# Altium PCB PCB_HFAmp.PcbDoc (part 2 of 2)
Units mm, origin at the board's own origin, x right, y up, seen from the top; angles counter-clockwise.
Board outline 150 x 140 mm, 2 copper layers (Top Layer, Bottom Layer); 274 components, 126 nets, 774 pads, 823 vias.
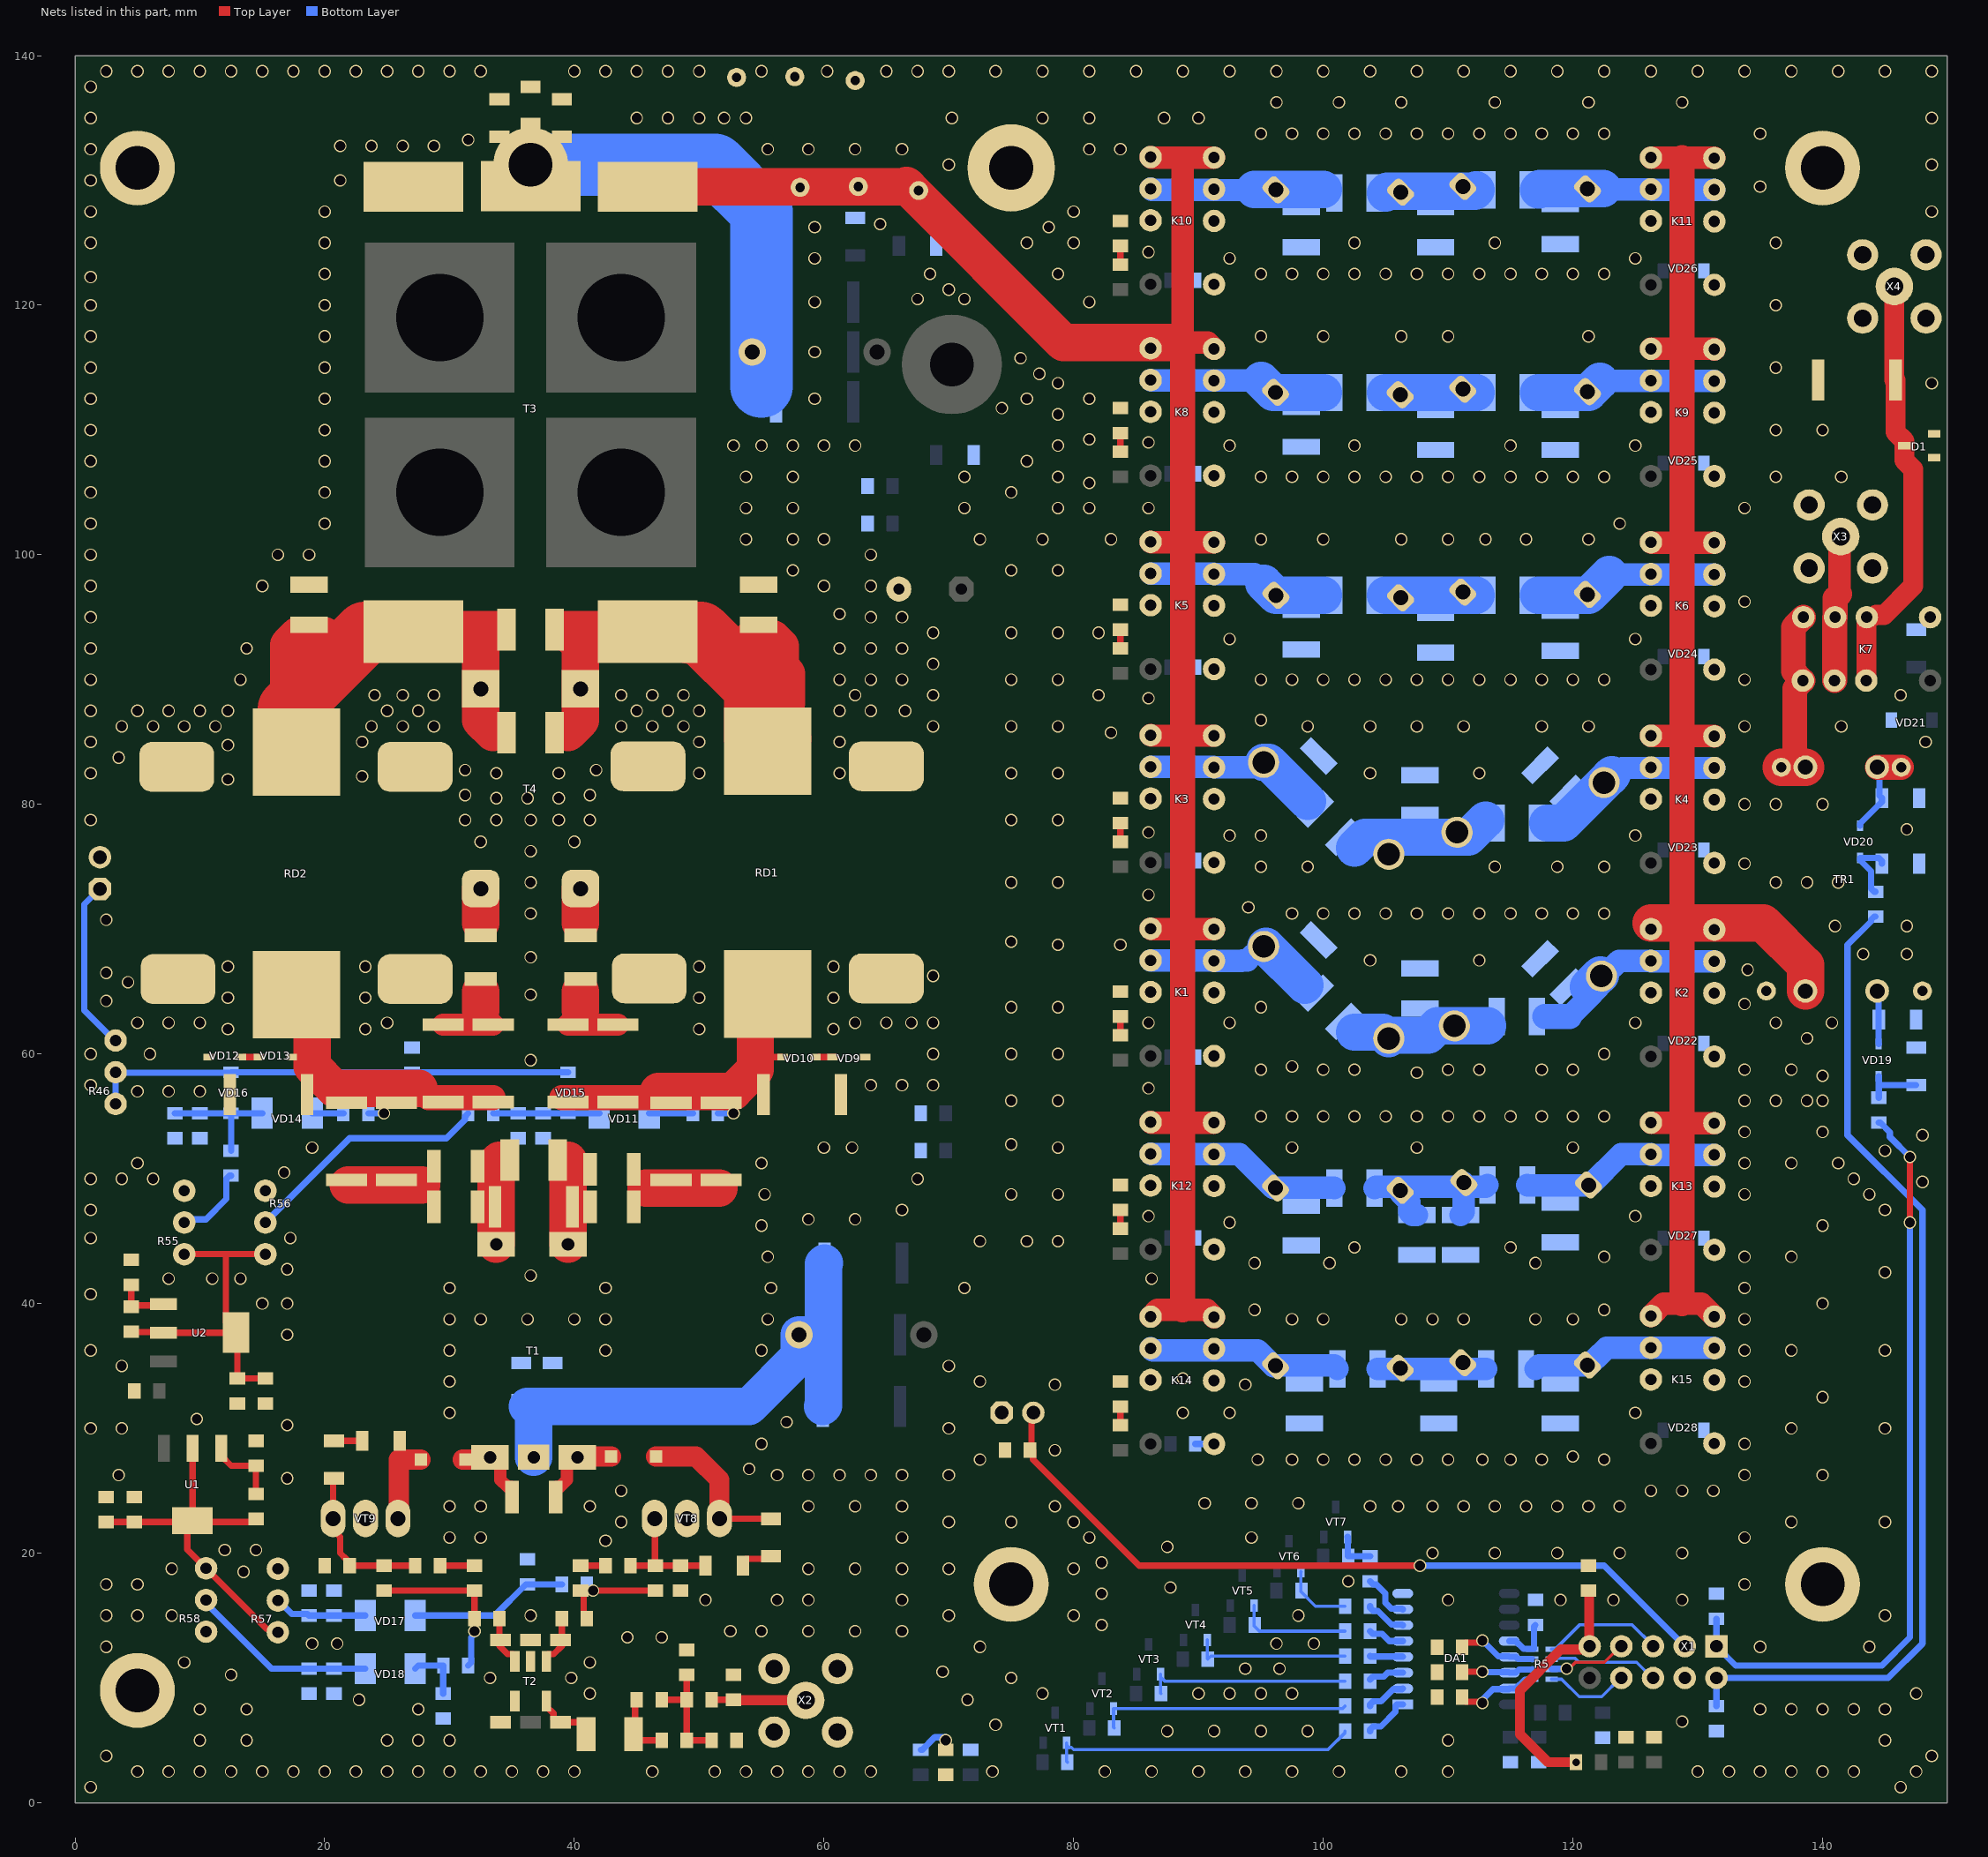
[diagram p2: the nets of this part, all layers, seen from the top]

## Via types
v1: diameter 1, hole 0.8, Top Layer to Bottom Layer, tented both sides, 819 vias
v2: diameter 0.8, hole 0.6, Top Layer to Bottom Layer, tented both sides, 4 vias

## Nets (pads, with @x,y where several pads share a name; then routed paths per layer and width w, separated by ;. In a path a pad name is that pad's centre, name@x,y a point inside that pad or via, vN(x,y) a via of type N, cw(c..) or ccw(c..) an arc to the next point about the centre after c; other vN are vias at no path point) (continued)
GND: C1.2 C2.2 C3.2 C4.1 C5.1 C6.1 C7.2 C8.2 C9.2 C10.2 C11.2 C12.2 C13.2 C14.2 C26.1 C27.2 C30.2 C31.2 C32.1 C33.2 C34.2 C35.1 C36.2 C37.2 C38.1 C39.2 C40.1 C41.2 C42.1 C43.2 C44.2 C45.2 C46.2 C47.2 C48.2 C49.2 C50.1 C54.2 C55.2 C56.2 C57.2 C59.1 C60.1 C61.1 C64.1 C65.1 C66.1 C67.2 C70.1 C71.1 C72.1 C73.2 C74.1 C75.2 C78.1 C79.1 C80.1 C81.2 C82.2 C85.1 C86.1 C87.1 C88.2 C91.1 C92.1 C93.1 C94.2 C97.1 C98.1 C99.1 C100.1 C101.2 C104.1 C105.1 C106.1 C107.1 D1.1 D1.2 DA1.8@106.37,16.77 K1.3 K1.10 K1.12 K2.3 K2.10 K2.12 K3.3 K3.10 K3.12 K4.3 K4.10 K4.12 K5.3 K5.10 K5.12 K6.3 K6.10 K6.12 K7.12 K8.3 K8.10 K8.12 K9.3 K9.10 K9.12 K10.3 K10.10 K10.12 K11.3 K11.10 K11.12 K12.3 K12.10 K12.12 K13.3 K13.10 K13.12 K14.3 K14.10 K14.12 K15.3 K15.10 K15.12 pad.9 pad.10 pad.11 pad.12 pad.14 R8.1 R25.1 R34.2 R36.2 R38.2 R39.2 R40.2 R47.2 R55.3 R56.1 R57.3 R58.1 R60.2 R62.1 R64.1 R65.1 R66.1 R73.1 R74.2 R77.2 R78.1 R79.2 RD1.2 RD2.2 T2.2 T2.4 T2.8 T2.11 T3.4 TR1.5 TR1.7 VD1.2 VD2.2 VD3.2 VD4.2 VD5.2 VD6.2 VD7.2 VD8.2 VD9.1 VD12.1 VD21.1 VD22.1 VD23.1 VD24.1 VD25.1 VD26.1 VD27.1 VD28.1 VT8.2 VT9.2 X1.4 X2.2 X3.2 X4.2 | length 1.5
  Bottom Layer w0.508: C107.1@89.75,28.75 K14.12@91.25,28.75
  other v1: 1.25,1.25 146.25,1.25 5,2.5 7.5,2.5 10,2.5 12.5,2.5 15,2.5 17.5,2.5 20,2.5 22.5,2.5 25,2.5 27.5,2.5 30,2.5 32.5,2.5 35,2.5 37.5,2.5 40,2.5 46.25,2.5 51.25,2.5 53.75,2.5 56.25,2.5 58.75,2.5 61.25,2.5 63.75,2.5 73.5,2.5 82.5,2.5 86.25,2.5 90,2.5 93.75,2.5 97.5,2.5 101.25,2.5 106.25,2.5 110,2.5 130,2.5 132.5,2.5 135,2.5 137.5,2.5 140,2.5 142.5,2.5 147.5,2.5 2.5,3.75 148.75,3.75 10,5 13.75,5 25,5 27.5,5 30,5 110,5 145,5 87.5,5.75 91.25,5.75 95,5.75 98.75,5.75 73.75,6.25 128.75,6.5 10,7.5 13.75,7.5 27.5,7.5 135,7.5 137.5,7.5 140,7.5 142.5,7.5 145,7.5 22.75,8.25 71.5,8.25 41.25,8.75 77.5,8.75 90,8.75 92.5,8.75 95,8.75 97.5,8.75 147.5,8.75 33.25,10 39.75,10 75,10 12.5,10.25 69.5,10.5 93.75,10.75 96.5,10.75 8.75,11.25 41.25,11.25 2.5,12.5 72.5,12.5 135,12.5 143.75,12.5 19,12.75 21,12.75 96.25,12.75 99.25,12.75 44.25,13.25 47,13.25 52.5,13.75 55,13.75 58.75,13.75 62.5,13.75 66.25,13.75 82.25,14.25 2.5,15 5,15 7.75,15 36.5,15 70,15 80,15 98,15 145,15 50.5,16.25 56.25,16.25 58.75,16.25 66.25,16.25 110,16.25 119,16.25 123.25,16.25 128.75,16.25 82.25,16.75 87.75,17.25 2.5,17.5 5,17.5 133.75,17.5 102,17.75 13.5,18.5 7.75,18.75 58.75,18.75 62.5,18.75 66.25,18.75 70,18.75 80,18.75 82.25,19.25 108.75,20 113.75,20 118.75,20 123.75,20 128.75,20 12,20.25 14.5,20.25 87.5,20.5 42.5,21 30,21.25 32.5,21.25 66.25,21.25 81.25,21.25 94.25,21.25 133.75,21.25 43.75,22.5 70,22.5 75,22.5 80,22.5 137.5,22.5 145,22.5 30,23.75 32.5,23.75 41.25,23.75 58.75,23.75 62.5,23.75 66.25,23.75 78.5,23.75 103.75,23.75 106,23.75 108.75,23.75 111.25,23.75 113.75,23.75 116.25,23.75 118.75,23.75 121.25,23.75 123.75,23.75 90.5,24 94.25,24 98,24 43.75,25 126.25,25 128.75,25 131.25,25 17,26 3.5,26.25 56.25,26.25 58.75,26.25 61.25,26.25 63.75,26.25 66.25,26.25 70,26.25 133.75,26.25 140,26.25 54,26.75 72.5,27.5 94.75,27.5 97.5,27.5 100,27.5 102.5,27.5 105,27.5 107.5,27.5 110,27.5 112.75,27.5 115,27.5 117.5,27.5 122.5,27.5 120,27.75 78.5,28.25 55,28.75 133.75,28.75 1.25,30 3.75,30 70,30 137.5,30 145,30 17,30.25 57,30.5 9.75,30.75 30,31.25 88.75,31.25 92.5,31.25 125,31.25 140,32.5 78.5,33.5 93.75,33.5 30,33.75 72.5,33.75 133.75,33.75 88.75,34 3.75,35 70,35 1.25,36.25 30,36.25 42.5,36.25 55,36.25 133.75,36.25 137.5,36.25 145,36.25 17,37.5 30,38.75 32.5,38.75 36.25,38.75 40,38.75 42.5,38.75 55.5,38.75 97.5,38.75 100,38.75 106.25,38.75 108.75,38.75 111.25,38.75 117,38.75 120,38.75 133.75,38.75 94.5,39.5 122.5,39.5 15,40 17,40 140,40 1.25,40.75 30,41.25 42.5,41.25 55.75,41.25 71.25,41.25 133.75,41.25 7.5,42 11,42 13.25,42 86.25,42 36.5,42.25 145,42.5 17,42.75 94.5,43.25 100.5,43.25 117,43.25 55.5,43.75 122.5,43.75 133.75,43.75 137.5,43.75 102.5,44.5 115,44.5 72.5,45 76.25,45 78.75,45 1.25,45.25 17.25,45.25 55,46.25 140,46.25 92.5,46.5 58.75,46.75 62.5,46.75 86,47 125,47 1.25,47.5 66.25,47.5 145,47.5 55.25,48.75 75,48.75 78.75,48.75 133.75,48.75 143.75,48.75 148,49.75 1.25,50 3.75,50 6.25,50 67.5,50 142.5,50 16.75,50.5 5,51.25 55,51.25 133.75,51.25 137.5,51.25 141.25,51.25 145,52.25 19,52.5 60,52.5 62.25,52.5 62.25,52.5 78.75,52.5 97.5,52.5 107.5,52.5 120,52.5 75,52.75 148,53.5 133.75,53.75 140,53.75 95,55 97.5,55 100,55 102.5,55 105,55 107.5,55 110,55 112.5,55 115,55 117.5,55 120,55 122.5,55 75,56.25 78.75,56.25 133.75,56.25 136.25,56.25 138.75,56.25 140,56.25 5,57 7.5,57 10,57 86,57.25 1.25,57.5 63.75,57.5 66.25,57.5 68.75,57.5 140,58.25 107.5,58.5 95,58.75 100,58.75 102.5,58.75 110,58.75 112.5,58.75 117.5,58.75 120,58.75 133.75,58.75 137.5,58.75 97.5,59 36.5,59.5 1.25,60 6,60 68.75,60 75,60 78.75,60 122.5,60 138.75,61.25 12.25,62 23.25,62 50,62 60.75,62 5,62.5 7.5,62.5 10,62.5 25,62.5 62.5,62.5 65,62.5 67,62.5 68.75,62.5 86,62.5 92.5,62.5 125,62.5 136.25,62.5 140.75,62.5 75,63.75 78.75,63.75 95,63.75 133.75,64 2.5,64.25 12.25,64.5 23.25,64.5 50,64.5 60.75,64.5 36.5,64.75 4.25,65.75 68.75,66.25 2.5,66.5 134,66.75 12.25,67 23.25,67 50,67 60.75,67 103.75,67.5 112.5,67.5 36.5,67.75 143.25,68 146.75,68 78.75,68.75 83.75,68.75 75,69 141,70.25 146.75,70.25 2.5,70.75 36.5,71.25 97.5,71.25 100,71.25 102.5,71.25 105,71.25 107.5,71.25 110,71.25 112.5,71.25 115,71.25 117.5,71.25 120,71.25 122.5,71.25 94,71.75 86,72.75 36.5,73.75 75,73.75 78.75,73.75 136.25,73.75 138.75,73.75 141.25,73.75 95,75 98.75,75 113.75,75 118.75,75 122.5,75 133.75,75.25 36.5,76.25 32.5,77 40,77 92.5,77.5 95,77.5 125,77.5 86,77.75 146.75,78 1.25,78.75 31.25,78.75 33.75,78.75 36.5,78.75 38.75,78.75 41.25,78.75 75,78.75 78.75,78.75 133.75,80 136.25,80 140,80 33.75,80.5 36.25,80.5 38.75,80.5 31.25,80.75 41.25,80.75 12.25,82 23,82.25 1.25,82.5 33.75,82.5 38.75,82.5 50,82.5 61.25,82.5 75,82.5 78.75,82.5 103.75,82.5 112.5,82.5 31.25,82.75 41.75,82.75 3.5,83.75 12.25,84.75 1.25,85 23,85 50,85 61.25,85 148.25,85 83,85.75 3.75,86.25 6.25,86.25 8.75,86.25 11.25,86.25 23.75,86.25 26.25,86.25 28.75,86.25 43.75,86.25 46.25,86.25 48.75,86.25 68.75,86.25 75,86.25 78.75,86.25 98.75,86.25 103.75,86.25 107.5,86.25 111.25,86.25 117.5,86.25 121.25,86.25 133.75,86.25 141.5,86.25 95,86.75 1.25,87.5 5,87.5 7.5,87.5 10,87.5 12.25,87.5 25,87.5 27.5,87.5 45,87.5 47.5,87.5 50,87.5 61.25,87.5 63.75,87.5 66.5,87.5 86,88.5 24,88.75 26.25,88.75 28.75,88.75 43.75,88.75 46.25,88.75 48.75,88.75 62.5,88.75 68.75,88.75 82,88.75 146.25,88.75 1.25,90 13.25,90 61.25,90 63.75,90 66.25,90 75,90 78.75,90 95,90 97.5,90 100,90 102.5,90 105,90 107.5,90 110,90 112.5,90 115,90 117.5,90 120,90 122.5,90 133.75,90 68.75,91.25 1.25,92.5 13.75,92.5 61.25,92.5 63.75,92.5 66.25,92.5 92.5,93.25 125,93.25 68.75,93.75 75,93.75 78.75,93.75 82,93.75 1.25,95 63.75,95 66.25,95 61.25,95.25 133.75,96.25 1.25,97.5 15,97.5 60,97.5 63.75,97.5 57.5,98.75 75,98.75 78.75,98.75 1.25,100 16.25,100 18.75,100 63.75,100 53.75,101.25 57.5,101.25 60,101.25 72.5,101.25 77.5,101.25 83,101.25 95,101.25 100,101.25 106.25,101.25 110,101.25 113,101.25 116.25,101.25 121.25,101.25 1.25,102.5 20,102.5 123.75,102.5 53.75,103.75 57.5,103.75 71.25,103.75 78.75,103.75 81.25,103.75 86,103.75 133.75,103.75 1.25,105 20,105 75,105 81.25,105.75 53.75,106.25 57.5,106.25 71.25,106.25 78.75,106.25 95,106.25 97.5,106.25 100,106.25 102.5,106.25 105,106.25 107.5,106.25 110,106.25 112.5,106.25 115,106.25 117.5,106.25 120,106.25 122.5,106.25 136.25,106.25 141.5,106.25 1.25,107.5 20,107.5 76.25,107.5 52.75,108.75 55,108.75 57.5,108.75 60,108.75 62.5,108.75 78.75,108.75 92.5,108.75 102.5,108.75 115,108.75 125,108.75 86,109 81.25,109.25 1.25,110 20,110 136.25,110 140,110 78.75,111.25 74.25,111.75 1.25,112.5 20,112.5 59.25,112.5 76.25,112.5 81.25,112.5 78.75,113.75 148.75,113.75 77.25,114.5 1.25,115 20,115 136.25,115 75.75,115.75 59.25,116.25 1.25,117.5 20,117.5 95,117.5 100,117.5 106.25,117.5 110,117.5 121.25,117.5 1.25,120 20,120 136.25,120 59.25,120.25 81.25,120.25 67.5,120.5 71.25,120.5 70,121.25 1.25,122.25 20,122.5 68.5,122.5 78.75,122.5 95,122.5 97.5,122.5 100,122.5 102.5,122.5 105,122.5 107.5,122.5 110,122.5 112.5,122.5 115,122.5 117.5,122.5 120,122.5 122.5,122.5 59.25,123.75 92.5,123.75 125,123.75 86,124.25 1.25,125 20,125 76.25,125 80,125 102.5,125 113.75,125 136.25,125 59.25,126.25 78,126.25 64.5,126.5 1.25,127.5 20,127.5 80,127.5 148.75,127.5 135,129.5 1.25,130 21.25,130 70,131.25 148.75,131.25 1.25,132.5 55.5,132.5 58.75,132.5 62.5,132.5 66.25,132.5 81.25,132.5 83.75,132.5 21.25,132.75 23.75,132.75 26.25,132.75 28.75,132.75 31.5,133.25 95,133.75 97.5,133.75 100,133.75 102.5,133.75 105,133.75 107.5,133.75 110,133.75 112.5,133.75 115,133.75 117.5,133.75 120,133.75 122.5,133.75 135,133.75 1.25,135 45,135 47.5,135 50,135 52,135 53.75,135 70.25,135 77.5,135 81.25,135 87.25,135 90,135 148.75,135 96.25,136.25 101.25,136.25 106.25,136.25 113.75,136.25 121.25,136.25 128.75,136.25 1.25,137.5 2.5,138.75 5,138.75 7.5,138.75 10,138.75 12.5,138.75 15,138.75 17.5,138.75 20,138.75 22.5,138.75 25,138.75 27.5,138.75 30,138.75 32.5,138.75 40,138.75 42.5,138.75 45,138.75 47.5,138.75 50,138.75 55,138.75 60.25,138.75 65,138.75 67.5,138.75 70,138.75 73.75,138.75 77.5,138.75 81.25,138.75 85,138.75 88.75,138.75 92.5,138.75 96.25,138.75 100,138.75 103.75,138.75 107.5,138.75 111.25,138.75 115,138.75 118.75,138.75 122.5,138.75 126.25,138.75 130,138.75 133.75,138.75 137.5,138.75 141.25,138.75 145,138.75 148.75,138.75
HFAMP_B0: R5.1 X1.8 | length 6.8
  Bottom Layer w0.254: R5.1@118.3,9.9 119.1,9.9 120.5,8.5 122.309,8.5 123.809,10 X1.8@123.88,10
HFAMP_B1: R5.2 X1.7 | length 6.3
  Top Layer w0.254: v1(119.5,10.75) 119.702,10.75 120.202,11.25 122.519,11.25 123.809,12.54 X1.7@123.88,12.54
  Bottom Layer w0.508: R5.2@118.3,10.7 118.329,10.729 119.479,10.729 v1(119.5,10.75)
HFAMP_B2: R5.3 X1.6 | length 8.8
  Bottom Layer w0.254: R5.3@118.3,11.5 118.377,11.577 120.173,11.577 120.5,11.25 125.099,11.25 126.349,10 X1.6@126.42,10
HFAMP_B3: R5.4 X1.5 | length 9.7
  Bottom Layer w0.254: R5.4@118.3,12.3 118.575,12.3 120.525,14.25 124.75,14.25 126.42,12.58 X1.5@126.42,12.54
HFAMP_TX: C12.1 FB2.2 X1.9 | length 20.5
  Top Layer w0.8: v2(120.25,3.25) 118,3.25 115.75,5.5 115.75,9 119.043,12.293 121.093,12.293 X1.9@121.34,12.54 121.295,12.585 121.295,16.955 C12.1@121.25,17
K_6m: DA1.5 R16.2 | length 2.9
  Bottom Layer w0.508: R16.2@103.75,13.75 103.964,13.536 104.714,13.536 105.29,12.96 DA1.5@106.37,12.96
K_10m: DA1.4 R13.2 | length 2.6
  Bottom Layer w0.508: R13.2@103.75,11.75 103.78,11.72 106.34,11.72 DA1.4@106.37,11.69
K_15m: DA1.3 R10.2 | length 2.8
  Bottom Layer w0.508: R10.2@103.75,9.875 103.996,10.121 104.871,10.121 105.17,10.42 DA1.3@106.37,10.42
K_20m: DA1.2 R6.2 | length 3.3
  Bottom Layer w0.508: R6.2@103.75,7.75 103.75,7.875 103.996,8.121 104.621,8.121 105.602,9.102 106.322,9.102 DA1.2@106.37,9.15
K_40m: DA1.1 R2.2 | length 3.8
  Bottom Layer w0.508: R2.2@103.75,5.75 103.75,5.875 103.996,6.121 104.611,6.121 105.789,7.299 105.789,7.754 105.915,7.88 DA1.1@106.37,7.88
K_80m: DA1.6 R19.2 | length 3.3
  Bottom Layer w0.508: R19.2@103.75,15.75 103.75,15.625 103.996,15.379 104.371,15.379 105.472,14.278 106.322,14.278 DA1.6@106.37,14.23
K_160m: DA1.7 R22.2 | length 4
  Bottom Layer w0.508: R22.2@103.75,17.75 103.996,17.504 104.246,17.504 104.971,16.779 104.971,16.029 105.452,15.548 106.322,15.548 DA1.7@106.37,15.5
LPF_OUT: K2.5 K2.8 K4.5 K4.8 K6.5 K6.8 K9.5 K9.8 K11.5 K11.8 K13.5 K13.8 K15.5 K15.8 TR1.4 | length 139.1
  Top Layer w1.8: K15.5@126.25,39 127.25,40 128.75,40 130.289,40 K15.8@131.33,38.959 ; K13.5@126.25,54.5 126.271,54.479 128.75,54.479 128.771,54.459 K13.8@131.33,54.459 ; K2.5@126.25,70 K2.5@126.75,70.5 ; K4.5@126.25,85.5 126.271,85.479 128.75,85.479 131.31,85.479 K4.8@131.33,85.459 ; K6.5@126.25,101 126.291,100.959 128.75,100.959 K6.8@131.33,100.959 ; K9.5@126.25,116.5 128.75,116.5 131.289,116.5 K9.8@131.33,116.459 ; K11.5@126.25,131.83 126.271,131.809 128.75,131.809 131.31,131.809 K11.8@131.33,131.789
  Top Layer w2: 128.75,40 128.75,54.479 128.75,70.5 128.75,85.479 128.75,100.959 128.75,116.5 128.75,131.809
  Top Layer w3: K2.5@126.25,70.5 126.75,70.5 128.053,70.5 ; 128.75,70.5 135.25,70.5 138.625,67.125 TR1.4@138.625,65.05
MB_THERM: C6.2 R8.2 X1.3 | length 62.3
  Top Layer w0.508: C6.2@76.5,28.25 76.635,28.385 76.635,31.115 R8.2@76.77,31.25 ; C6.2@76.746,28.25 76.746,27.585 76.75,27.581 76.75,27.5 85.25,19 v1(107.75,19)
  Bottom Layer w0.508: v1(107.75,19) 122.5,19 X1.3@128.96,12.54
NetC4_2: C4.2 DA1.15 R5.5 | length 6.8
  Top Layer w0.508: C4.2@111.12,8.46 111.12,8.335 111.366,8.089 112.661,8.089 v1(112.75,8)
  Bottom Layer w0.508: v1(112.75,8) 112.844,8.094 112.844,8.344 113.602,9.102 114.852,9.102 DA1.15@114.9,9.15 115.423,9.15 116.144,9.871 116.721,9.871 R5.5@116.75,9.9
NetC5_2: C5.2 DA1.14 R5.6 | length 5.8
  Top Layer w0.508: C5.2@111.12,10.46 111.16,10.5 v1(112.75,10.5)
  Bottom Layer w0.508: v1(112.75,10.5) 112.79,10.46 114.86,10.46 DA1.14@114.9,10.42 115.423,10.42 115.674,10.671 116.721,10.671 R5.6@116.75,10.7
NetC10_1: C10.1 DA1.12 R5.8 | length 4.2
  Bottom Layer w0.508: DA1.12@114.9,12.96 115.423,12.96 116.054,12.329 116.875,12.329 116.875,14.125 C10.1@117,14.25
NetC11_1: C11.1 DA1.13 R5.7 | length 6.5
  Top Layer w0.508: C11.1@111.12,12.46 111.12,12.585 111.366,12.831 112.581,12.831 v1(112.75,13)
  Bottom Layer w0.508: v1(112.75,13) 114.012,11.738 114.852,11.738 DA1.13@114.9,11.69 115.423,11.69 115.584,11.529 116.721,11.529 R5.7@116.75,11.5
NetC15_1: C15.1 C18.1 C22.1 R35.1 T1.2 | length 6.8
  Top Layer w3: T1.2@39.5,44.75 39.5,51.5
NetC15_2: C15.2 C18.2 R26.2 R27.2 | length 5.8
  Top Layer w3: 45.75,49.25 51.6,49.25
NetC16_1: C16.1 R28.2 | length 2
  Top Layer w0.508: C16.1@40.5,19 R28.2@42.5,19
NetC16_2: C16.2 C19.2 R31.2 R48.1 | length 8.1
  Top Layer w0.508: C16.2@40.5,17 R31.2@46.5,17 ; C16.2@40.754,16.754 40.754,14.996 C19.2@41,14.75
  other v1: 41.5,17
NetC17_1: C17.1 C26.2 R32.2 R33.1 R40.1 | length 9.3
  Top Layer w0.508: C17.1@47,8.25 R33.1@49,8.25 ; R40.1@49.025,10.225 R40.1@49,10.25 R32.2@49,5 C26.2@51,5
NetC17_2: C17.2 L1.2 R32.1 | length 5.3
  Top Layer w0.508: C17.2@45,8.25 44.875,8.125 44.875,5.625 L1.2@44.75,5.5 44.75,5.496 45.246,5 R32.1@47,5
NetC19_1: C19.1 T2.1 T2.7 | length 4.2
  Top Layer w0.508: T2.7@37.77,11.34 37.77,11.785 37.896,11.911 38.341,11.911 39,12.57 C19.1@39,14.75
NetC20_1: C20.1 R30.2 | length 2.7
  Top Layer w0.508: C20.1@53.5,19 53.5,19.3 53.746,19.546 55.546,19.546 R30.2@55.75,19.75
NetC20_2: C20.2 R28.1 R31.1 R34.1 VT8.1 | length 9.8
  Top Layer w0.508: R28.1@44.5,19 R31.1@46.5,19 ; VT8.1@46.425,22.775 46.463,22.737 46.463,19.037 R31.1@46.5,19 ; C20.2@50.5,19 R34.1@48.5,19 R31.1@46.5,19
NetC21_1: C21.1 JMP1.2 T1.4 | length 7
  Top Layer w0.508: T1.4@40.25,27.675 T1.4@40.325,27.75
  Top Layer w1: C21.1@38.5,24.5 38.5,25.25 38.55,25.3 38.832,25.3 39.418,25.886 39.418,27.175 39.918,27.675 T1.4@40.25,27.675
  Top Layer w1.6: T1.4@40.325,27.75 JMP1.2@42.95,27.75
NetC21_2: C21.2 JMP2.2 T1.3 | length 6.6
  Top Layer w0.508: JMP2.2@31.254,27.5 JMP2.2@31.3,27.5
  Top Layer w1: T1.3@33.25,27.675 33.582,27.675 34.082,27.175 34.082,25.886 34.668,25.3 34.95,25.3 35,25.25 C21.2@35,24.5
  Top Layer w1.6: JMP2.2@31.05,27.5 33.075,27.5 T1.3@33.25,27.675
NetC22_2: C22.2 C23.1 C29.1 R35.2 T1.1 | length 6.9
  Top Layer w3: T1.1@33.75,44.75 33.75,51.25 34,51.5
NetC23_2: C23.2 C29.2 R42.2 R44.2 | length 5.8
  Top Layer w3: R44.2@21.9,49.5 27.75,49.5
NetC24_1: C24.1 T2.3 T2.9 | length 4.2
  Top Layer w0.508: C24.1@34,14.75 34,12.57 34.659,11.911 35.104,11.911 35.23,11.785 T2.9@35.23,11.34
NetC24_2: C24.2 C28.2 R41.2 R49.2 | length 12.2
  Top Layer w0.508: R41.2@24.75,17 C28.2@32,17 C24.2@32,14.75
  Bottom Layer w0.508: R49.2@31.5,11 31.746,11.246 31.746,13.246 v1@32,13.5
  other v1: 32,13.75
NetC25_1: C25.1 R37.2 | length 2.3
  Top Layer w0.508: C25.1@20.75,29 R37.2@23,29
NetC25_2: C25.2 R36.1 R41.1 R43.1 VT9.1 | length 12.8
  Top Layer w0.508: C25.2@20.75,26 20.675,25.925 20.675,21.871 21.25,21.296 21.25,20 21.754,19.496 21.754,19.246 R36.1@22,19 R41.1@24.75,19 R43.1@27.25,19
NetC27_1: C27.1 C30.1 L2.1 R50.1 R51.1 R54.1 T1.5 | length 42.2
  Bottom Layer w3: 36.25,31.75 54,31.75 58,35.75 L2.1@58,37.5 R50.1@59.9,37.5 ; T1.5@36.75,27.687 36.75,31.25 ; R51.1@59.9,31.75 59.975,31.825 59.975,43.175 R54.1@60.05,43.25
NetC28_1: C28.1 R43.2 | length 2.7
  Top Layer w0.508: R43.2@29.25,19 C28.1@32,19
NetC31_1: C31.1 R46.1 R46.2 VD15.2 VD16.2 | length 38.7
  Bottom Layer w0.508: R46.1@3.25,56 3.25,58.46 3.283,58.493 12.468,58.493 VD16.2@12.5,58.525 VD15.2@39.5,58.525
NetC32_2: C32.2 C40.2 R52.1 VD14.1 VD16.1 | length 10
  Bottom Layer w0.508: C32.2@8,55.25 C40.2@10,55.25 VD16.1@12.5,55.25 ; R52.1@12.5,52.25 VD16.1@12.5,55.25 ; VD14.1@15,55.25 VD16.1@12.5,55.25
NetC33_1: C33.1 C41.1 R53.1 VD11.1 VD15.1 | length 8.5
  Bottom Layer w0.508: R53.1@33.5,55.25 C41.1@35.5,55.25 C33.1@37.5,55.25 VD15.1@39.5,55.25 VD11.1@42,55.25
NetC34_1: C34.1 R48.2 VD17.2 | length 12.8
  Bottom Layer w0.508: VD17.2@27.25,15 33.625,15 36.125,17.5 C34.1@36.25,17.5 R48.2@39,17.5
NetC35_2: C35.2 R49.1 VD18.2 | length 4.6
  Bottom Layer w0.508: VD18.2@27.25,10.75 27.5,11 R49.1@29.5,11 C35.2@29.5,8.75
NetC38_2: C38.2 C42.2 R57.2 VD17.1 | length 7.5
  Bottom Layer w0.508: R57.2@16.27,16.23 17.375,15.125 18.625,15.125 C42.2@18.75,15 C38.2@20.75,15 VD17.1@23.25,15
NetC39_1: C39.1 C43.1 R58.2 VD18.1 | length 15.2
  Bottom Layer w0.508: R58.2@10.5,16.25 10.5,16 15.75,10.75 C43.1@18.75,10.75 C39.1@20.75,10.75 VD18.1@23.25,10.75
NetC46_1: C46.1 C47.1 R57.1 R58.3 R59.1 U1.2 U1.4 | length 30.3
  Top Layer w0.508: C47.1@2.5,22.5 C46.1@4.75,22.5 U1.4@9.315,22.5 ; U1.4@9.415,22.5 14.125,22.5 14.375,22.75 R59.1@14.5,22.75 ; U1.2@9.415,28.4 U1.4@9.415,22.6 U1.4@9.315,22.5 ; R57.1@16.25,13.67 16.003,13.917 15.373,13.917 9,20.29 9,22.185 U1.4@9.315,22.5
NetC48_1: C48.1 C49.1 R55.1 R56.3 R61.1 U2.2 U2.4 | length 27.6
  Top Layer w0.508: R61.1@4.5,37.75 4.542,37.708 7.058,37.708 U2.2@7.1,37.665 U2.4@12.9,37.665 ; R55.1@8.75,43.96 12,43.96 ; C49.1@15.25,34 C48.1@13,34 13,37.565 U2.4@12.9,37.665 ; R56.3@15.25,43.96 12,43.96 ; 12,43.96 12.079,43.881 12.079,38.486 U2.4@12.9,37.665
NetC50_2: C50.2 C52.2 C53.2 RD1.1 T3.1 T4.3 | length 42.1
  Top Layer w3: 39.5,85.75 40.5,86.75 T4.3@40.5,89.25 40.5,92.75 39.25,94 45.711,94 T3.1@45.865,93.846 45.961,93.75 T3.1@49.25,93.75 ; 54.25,93.25 55.9,93.25 56.5,92.65 56.5,90.973 57,90.473 57,88.12 56.5,87.62 RD1.1@56.5,85.944
  Top Layer w5: T3.1@49.25,93.75 50.1,93.75 54.5,89.35 54.5,85.25 RD1.1@56.5,85.25
NetC51_1: C51.1 R63.1 R67.1 | length 5.5
  Top Layer w1.8: R67.1@39.5,62.35 R63.1@43.5,62.35
  Top Layer w3: 40.5,63.5 40.5,65
NetC51_2: C51.2 T4.1 | length 2.7
  Top Layer w3: 40.5,70.5 T4.1@40.5,73.25
NetC52_1: C52.1 C53.1 C57.1 RD2.1 T3.2 T4.4 | length 39.5
  Top Layer w3: RD2.1@17.125,87.625 17.125,92.775 17.85,93.5 20,93.5 ; T3.2@23.75,93.75 27.019,93.75 T3.2@27.115,93.846 27.269,94 32.25,94 ; 33.5,85.75 32.5,86.75 T4.4@32.5,89.25 32.5,93.75 32.25,94 ; 33.75,94 32.25,94
  Top Layer w5: RD2.1@17.75,84.194 17.125,84.819 17.125,87.625 T3.2@23.25,93.75
NetC58_1: C58.1 R68.1 R70.1 | length 5.5
  Top Layer w1.8: R68.1@29.5,62.35 R70.1@33.5,62.35
  Top Layer w3: 32.5,63.5 32.5,65
NetC58_2: C58.2 T4.2 | length 2.7
  Top Layer w3: 32.5,70.5 T4.2@32.5,73.25
NetC59_2: C59.2 C60.2 C61.2 L3.2 pad.15 R69.2 R71.2 R72.2 T3.5 | length 34.1
  Bottom Layer w5: pad.15@36.5,131.25 51.268,131.25 55,127.518 55,120.25 55,113.5
NetC62_1: C62.1 C63.2 C65.2 L4.1 L5.2 | length 11.3
  Bottom Layer w3: 102.5,61.75 104.75,61.75 L4.1@105.25,61.25 105.5,61.5 108.4,61.5 109.15,62.25 113.15,62.25
NetC62_2: C62.2 C64.2 K1.4 K1.9 L4.2 | length 14.1
  Bottom Layer w1.8: K1.4@86.17,67.501 91.209,67.501 K1.9@91.25,67.46 93.46,67.46 93.5,67.5 93.916,67.5 95.033,68.617 L4.2@95.222,68.617 L4.2@95.411,68.617
  Bottom Layer w3: L4.2@95.411,68.617 98.528,65.5
NetC63_1: C63.1 C66.2 K2.4 K2.9 L5.1 | length 15.4
  Bottom Layer w1.8: 119.75,63 121.5,64.75 ; L5.1@122.286,66.239 122.47,66.239 123.691,67.46 K2.4@126.25,67.46 ; K2.4@126.25,67.419 K2.9@131.33,67.419
  Bottom Layer w2: 117.75,63 119.75,63
  Bottom Layer w3: 121.229,65.369 L5.1@122.193,66.333
NetC68_1: C68.1 C69.2 C71.2 L6.1 L7.2 | length 11.4
  Bottom Layer w3: 102.5,76.5 103.369,77.369 111.619,77.369 113,78.75
NetC68_2: C68.2 C70.2 K3.4 K3.9 L6.2 | length 14.1
  Bottom Layer w1.8: K3.4@86.17,83.001 91.209,83.001 K3.9@91.25,82.96 94.46,82.96 94.517,83.017 94.683,83.017 95.033,83.367 L6.2@95.222,83.367
  Bottom Layer w3: L6.2@95.222,83.367 95.633,83.367 98.75,80.25
NetC69_1: C69.1 C72.2 K4.4 K4.9 L7.1 | length 14.1
  Bottom Layer w1.8: 123.919,82.919 K4.9@131.33,82.919
  Bottom Layer w3: 118,78.5 119.25,78.5 L7.1@122.5,81.75 L7.1@123.125,82.375
NetC73_1: C73.1 R75.2 VD19.2 | length 4.8
  Bottom Layer w0.508: R75.2@144.5,56.5 144.5,57.35 ; VD19.2@144.5,58.2 144.5,57.35 ; C73.1@147.5,57.5 144.65,57.5 144.5,57.35
NetC74_2: C74.2 R76.2 VD20.2 | length 5.3
  Bottom Layer w0.508: R76.2@144.25,73 144.125,73 143.879,73.246 143.879,74.654 143,75.533 143,75.696 143.004,75.7 144.504,75.7 144.75,75.454 C74.2@144.75,75.25
NetC76_1: C76.1 C77.2 C79.2 L8.1 L9.2 | length 7.2
  Bottom Layer w3: 105,96.75 L9.2@112.25,96.75
NetC76_2: C76.2 C78.2 K5.4 K5.9 L8.2 | length 14.6
  Bottom Layer w1.8: K5.4@86.17,98.501 91.209,98.501 K5.9@91.25,98.46 94.497,98.46 95.228,97.728
  Bottom Layer w3: 95.228,97.728 96.207,96.75 100,96.75
NetC77_1: C77.1 C80.2 K6.4 K6.9 L9.1 | length 14.8
  Bottom Layer w1.8: 122.919,98.419 K6.9@131.33,98.419
  Bottom Layer w3: 117.25,96.75 121.25,96.75 122.919,98.419
NetC83_1: C83.1 C84.2 C86.2 L10.1 L11.2 | length 7.2
  Bottom Layer w3: 105,113 L11.2@112.25,113
NetC83_2: C83.2 C85.2 K8.4 K8.9 L10.2 | length 14.2
  Bottom Layer w1.8: K8.4@86.17,114.001 86.211,113.96 K8.9@91.25,113.96 95.037,113.96
  Bottom Layer w3: 95.037,113.96 95.997,113 100,113
NetC84_1: C84.1 C87.2 K9.4 K9.9 L11.1 | length 14.5
  Bottom Layer w1.8: 122.154,113.919 K9.9@131.33,113.919
  Bottom Layer w3: 117.25,113 121.235,113 122.154,113.919
NetC89_1: C89.1 C90.2 C92.2 L12.1 L13.2 | length 7.4
  Bottom Layer w3: 105,129 105.125,129.125 109,129.125 112.125,129.125 L13.2@112.25,129.25
NetC89_2: C89.2 C91.2 K10.4 K10.9 L12.2 | length 15.4
  Bottom Layer w1.8: K10.4@86.17,129.331 86.254,129.247 K10.9@91.25,129.247 ; K10.9@91.25,129.29 91.32,129.22 L12.2@96.042,129.22
  Bottom Layer w3: 94.5,129.274 100,129.274
NetC90_1: C90.1 C93.2 K11.4 K11.9 L13.1 | length 15.2
  Bottom Layer w1.8: L13.1@121.275,129.29 123.54,129.29 K11.4@126.25,129.29 ; K11.4@126.291,129.249 K11.9@131.33,129.249
  Bottom Layer w3: 117.25,129.25 117.348,129.348 122.408,129.348
NetC95_1: C95.1 C96.2 C98.2 C99.2 L14.1 L15.2 | length 14.6
  Bottom Layer w1.8: C95.1@104.1,49.25 104.225,49.375 L15.2@111.235,49.375 ; L14.1@106.164,49.071 106.138,49.044 106.138,48.902 106.9,48.14 106.9,47.35 107.15,47.1 C98.2@107.5,47.1 ; C99.2@111,47.1 111.235,47.335 L15.2@111.235,49.375 ; L15.2@111.262,49.694 111.235,49.668 L15.2@111.235,49.375 ; C96.2@113.15,49.5 113.025,49.375 L15.2@111.235,49.375
NetC95_2: C95.2 C97.2 K12.4 K12.9 L14.2 | length 15.9
  Bottom Layer w1.8: K12.4@86.17,52.001 86.211,51.96 K12.9@91.25,51.96 93.287,51.96 96.008,49.238 96.15,49.238 L14.2@96.177,49.265 96.203,49.292 100.858,49.292 C95.2@100.9,49.25
NetC96_1: C96.1 C100.2 K13.4 K13.9 L15.1 | length 16
  Bottom Layer w1.8: C96.1@116.35,49.5 116.377,49.473 121.223,49.473 L15.1@121.25,49.5 121.391,49.5 123.851,51.96 K13.4@126.25,51.96 126.291,51.919 K13.9@131.33,51.919
NetC102_1: C102.1 C103.2 C105.2 L16.1 L17.2 | length 8.7
  Bottom Layer w1.8: C102.1@104.35,34.75 C103.2@113.05,34.75
NetC102_2: C102.2 C104.2 K14.4 K14.9 L16.2 | length 15.7
  Bottom Layer w1.8: K14.4@86.17,36.411 86.331,36.25 94.747,36.25 96.008,34.988 96.15,34.988 L16.2@96.177,35.015 96.203,35.042 100.9,35.042 101.15,34.792 C102.2@101.15,34.75
NetC103_1: C103.1 C106.2 K15.4 K15.9 L17.1 | length 15.1
  Bottom Layer w1.8: 117,34.75 117.294,35.044 121.138,35.044 L17.1@121.164,35.071 121.306,35.071 122.235,36 122.25,36 122.71,36.46 K15.4@126.25,36.46 131.289,36.46 K15.9@131.33,36.419
NetD1_3: D1.3 K7.3 K7.10 R79.1 X4.1 | length 33.6
  Top Layer w1.6: K7.3@143.499,89.92 143.519,89.94 143.519,94.979 K7.10@143.54,95 ; K7.10@144.259,95.153 144.293,95.187 144.937,95.187 147.25,97.5 147.25,106.862 146.55,107.562 146.55,109.126 145.85,109.826 R79.1@145.85,114 ; R79.1@145.75,114 X4.1@145.75,121.5
NetJMP1_1: JMP1.1 R30.1 VT8.3 | length 13.1
  Top Layer w0.508: VT8.3@51.625,22.775 51.637,22.762 55.738,22.762 R30.1@55.75,22.75
  Top Layer w1.6: JMP1.1@46.55,27.75 49.75,27.75 51.625,25.875 VT8.3@51.625,22.775
NetJMP2_1: JMP2.1 R37.1 VT9.3 | length 6.5
  Top Layer w0.508: VT9.3@25.875,22.775 VT9.3@25.937,22.838
  Top Layer w1.6: VT9.3@25.937,22.838 25.937,27.5 JMP2.1@27.7,27.5
NetK7_4: K7.4 K7.9 X3.1 | length 11.7
  Top Layer w0.508: K7.4@140.959,89.92 K7.4@140.979,89.94 ; K7.9@140.979,94.979 K7.9@141,95
  Top Layer w1.8: 141.37,96.87 X3.1@141.37,101.37
  Top Layer w2: K7.4@140.979,89.94 K7.9@140.979,94.979 ; K7.9@141,95 141,96.5 141.37,96.87 ; X3.1@141.37,101.37 X3.1@141.46,101.46
NetL1_1: L1.1 T2.6 T2.10 | length 4.2
  Top Layer w0.508: T2.10@37.77,8.16 37.77,7.715 38.329,7.156 38.329,6.696 38.575,6.45 T2.6@38.9,6.45 L1.1@40.75,6.45
NetR1_1: R1.1 VD1.1 | length 1.5
  Top Layer w0.508: R1.1@83.75,123.25 VD1.1@83.75,124.75
NetR2_1: R2.1 R3.2 VT1.1 | length 24.7
  Bottom Layer w0.254: VT1.1@79.45,4.8 VT1.1@79.45,4.6 ; R3.2@79.5,3.25 79.45,3.3 VT1.1@79.45,4.6 ; R2.1@101.75,5.75 101.75,5.625 100.375,4.25 80,4.25 79.823,4.427 79.623,4.427 VT1.1@79.45,4.6
NetR4_1: R4.1 VD2.1 | length 1.5
  Top Layer w0.508: R4.1@83.75,108.25 VD2.1@83.75,109.75
NetR6_1: R6.1 R7.2 VT2.1 | length 20.2
  Bottom Layer w0.254: R7.2@83.25,6 83.2,6.05 VT2.1@83.2,7.55 101.55,7.55 R6.1@101.75,7.75
NetR9_1: R9.1 VD3.1 | length 1.5
  Top Layer w0.508: R9.1@83.75,92.5 VD3.1@83.75,94
NetR10_1: R10.1 R11.2 VT3.1 | length 16.5
  Bottom Layer w0.254: VT3.1@86.95,10.3 VT3.1@86.95,10.1 ; R11.2@87,8.75 86.95,8.8 VT3.1@86.95,10.1 ; R10.1@101.75,9.75 87.3,9.75 VT3.1@86.95,10.1
NetR12_1: R12.1 VD4.1 | length 1.5
  Top Layer w0.508: R12.1@83.75,77 VD4.1@83.75,78.5
NetR13_1: R13.1 R14.2 VT4.1 | length 12.7
  Bottom Layer w0.254: VT4.1@90.7,13.05 90.7,11.55 R14.2@90.75,11.5 91,11.75 R13.1@101.75,11.75
NetR15_1: R15.1 VD5.1 | length 1.5
  Top Layer w0.508: R15.1@83.75,61.5 VD5.1@83.75,63
NetR16_1: R16.1 R17.2 VT5.1 | length 9.1
  Bottom Layer w0.254: VT5.1@94.45,15.8 94.45,14.175 94.875,13.75 R16.1@101.75,13.75
NetR18_1: R18.1 VD6.1 | length 1.5
  Top Layer w0.508: R18.1@83.75,46 VD6.1@83.75,47.5
NetR19_1: R19.1 R20.2 VT6.1 | length 5.7
  Bottom Layer w0.254: VT6.1@98.2,18.55 98.25,18.5 98.2,18.45 98.2,16.925 99.375,15.75 R19.1@101.75,15.75
NetR21_1: R21.1 VD7.1 | length 1.5
  Top Layer w0.508: R21.1@83.75,30.25 VD7.1@83.75,31.75
NetR22_1: R22.1 R23.2 VT7.1 | length 3.3
  Bottom Layer w0.508: VT7.1@101.95,21.3 101.975,21.275 101.975,19.775 R23.2@102,19.75 R22.1@103.75,19.75
NetR24_1: R24.1 VD8.1 | length 2.4
  Bottom Layer w0.508: R24.1@67.75,4.25 67.875,4.25 68.875,5.25 v1@69.75,5.25
  other v1: 69.75,5
NetR29_1: R29.1 VD11.2 | length 3.5
  Bottom Layer w0.508: VD11.2@46,55.25 R29.1@49.5,55.25
NetR33_2: R33.2 R39.1 X2.1 | length 7.6
  Top Layer w0.508: R33.2@51,8.25 R39.1@52.75,8.25 R39.1@52.77,8.23 ; X2.1@58.52,8.23 X2.1@58.54,8.21
  Top Layer w0.8: R39.1@52.77,8.23 X2.1@58.52,8.23
NetR38_1: R38.1 R46.3 | length 13.8
  Bottom Layer w0.508: R38.1@2,73.25 0.75,72 0.75,63.5 R46.3@3.272,60.978
NetR45_2: R45.2 VD14.2 | length 2.5
  Bottom Layer w0.508: VD14.2@19,55.25 R45.2@21.5,55.25
NetR52_2: R52.2 R55.2 | length 6.3
  Bottom Layer w0.508: R55.2@8.75,46.5 8.997,46.747 10.497,46.747 12.129,48.379 12.129,50.004 12.375,50.25 R52.2@12.5,50.25
NetR53_2: R53.2 R56.2 | length 20
  Bottom Layer w0.508: R56.2@15.25,46.5 22,53.25 29.75,53.25 31.254,54.754 31.254,55.004 R53.2@31.5,55.25
NetR59_2: R59.2 R62.2 U1.1 | length 6
  Top Layer w0.508: U1.1@11.715,28.4 11.715,27.8 12.515,27 R62.2@14.5,27 R59.2@14.5,24.75
NetR60_1: R60.1 R61.2 U2.1 | length 4.4
  Top Layer w0.508: R60.1@4.5,41.5 R61.2@4.5,39.75 4.608,39.858 6.992,39.858 U2.1@7.1,39.965
NetR73_2: R73.2 TR1.1 VD19.1 | length 4.3
  Bottom Layer w0.508: TR1.1@144.375,65.05 144.496,64.929 144.496,60.804 VD19.1@144.5,60.8
NetR74_1: R74.1 TR1.2 TR1.6 VD20.1 | length 7.5
  Top Layer w2: TR1.2@144.375,82.975 TR1.6@146.3,82.975
  Bottom Layer w0.508: VD20.1@143,78.3 143,78.467 144.487,79.954 144.504,79.954 144.75,80.2 R74.1@144.75,80.5 144.562,80.687 144.562,82.788 TR1.2@144.375,82.975
NetVD9_2: VD9.2 VD10.1 | length 1.4
  Top Layer w0.508: VD10.1@59.55,59.75 VD9.2@60.95,59.75
NetVD12_2: VD12.2 VD13.1 | length 1.2
  Top Layer w0.508: VD12.2@13.5,59.75 VD13.1@14.65,59.75
PA_OUT: K1.5 K1.8 K3.5 K3.8 K5.5 K5.8 K8.5 K8.8 K10.5 K10.8 K12.5 K12.8 K14.5 K14.8 R64.2 R65.2 R66.2 T3.3 | length 173.6
  Top Layer w1.8: K14.5@86.17,38.951 86.718,39.5 88.73,39.5 90.66,39.5 K14.8@91.25,38.91 ; K12.5@86.17,54.541 86.211,54.5 88.73,54.5 K12.8@91.25,54.5 ; K1.5@86.17,70.041 86.211,70 88.73,70 K1.8@91.25,70 ; K3.5@86.17,85.541 86.211,85.5 88.73,85.5 K3.8@91.25,85.5 ; K5.5@86.17,101.041 86.211,101 88.73,101 K5.8@91.25,101 ; K10.5@86.17,131.871 86.211,131.83 88.73,131.83 ; 88.73,116.5 88.73,117 ; K8.8@91.25,116.5 90.75,117 88.73,117 ; K10.8@91.25,131.83 88.73,131.83 ; 88.73,117 88.73,131.83
  Top Layer w2: 88.73,39.5 88.73,54.5 88.73,70 88.73,85.5 88.73,101 88.73,116.5
  Top Layer w3: T3.3@45.865,129.496 45.869,129.5 58.088,129.5 62.088,129.5 R65.2@62.75,129.5 66.688,129.5 ; 66.594,129.594 66.688,129.5 ; 66.75,129.5 66.688,129.5 ; 88,117 86.17,117 79.188,117 66.688,129.5
RD100_1: R25.2 R26.1 R27.1 R29.2 R63.2 R67.2 RD1.3 VD10.2 | length 27.4
  Top Layer w0.508: 54.5,59.75 VD10.2@56.7,59.75 VD10.2@56.779,59.75
  Top Layer w2: R67.2@39,56.5 R27.1@47.25,56.5
  Top Layer w3: 46.75,57 52.743,57 54.5,58.757 54.5,59.75 RD1.3@54.5,65.9
  Bottom Layer w0.508: R29.2@51.5,55.25 v1(52.75,55.25)
RD100_2: R42.1 R44.1 R45.1 R47.1 R68.2 R70.2 RD2.3 VD13.2 | length 26.3
  Top Layer w0.508: RD2.3@16.05,62.5 18.75,62.5 RD2.3@19,62.75
  Top Layer w2: 27.563,57.25 28.313,56.5 29.5,56.5 R70.2@33.5,56.5
  Top Layer w3: RD2.3@19,65.5 19,62.75 19,59.007 20.757,57.25 21.75,57.25 25.75,57.25 27.563,57.25
  Bottom Layer w0.508: R45.1@23.5,55.25 v1(24.75,55.25)
SWR_BACKW: R76.1 R78.2 X1.2 | length 81.6
  Bottom Layer w0.508: R78.2@131.5,7.75 X1.2@131.5,10 145.25,10 148,12.75 148,47.5 142,53.5 142,68.75 143.879,70.629 143.879,70.754 144.125,71 R76.1@144.25,71
SWR_FORW: R75.1 R77.1 X1.1 | length 61.6
  Top Layer w0.508: v1(147,46.5) v1(147,51.75)
  Bottom Layer w0.508: R77.1@131.5,14.75 X1.1@131.5,12.54 133.04,11 144.75,11 147,13.25 v1(147,46.5) ; R75.1@144.5,54.5 144.625,54.5 145.394,53.731 145.394,53.356 v1(147,51.75)
SWR_OUT: K7.5 K7.8 TR1.3 TR1.8 | length 15.1
  Top Layer w1: 137.75,84.094 138.625,83.219 TR1.3@138.625,82.975
  Top Layer w2: 137.661,94.201 137.661,90.677 K7.5@138.419,89.92 137.768,89.269 137.768,84.112 ; 137.75,94.29 K7.8@138.46,95
  Top Layer w3: TR1.8@136.7,82.975 TR1.3@138.625,82.975
pads on no net: D1. DA1.8@106.37,6.98 DA1.9 DA1.10 DA1.11 R46.4 R55.4 R56.4 R57.4 R58.4 T2.5 T3.0 VD9.5 VD10.5 VD11. VD12.5 VD13.5 VD14. VD15.4 VD16.4 VD17. VD18. VD19.5 VD20.5 VD21.4 VD22.4 VD23.4 VD24.4 VD25.4 VD26.4 VD27.4 VD28.4 VT1. VT2. VT3. VT4. VT5. VT6. VT7. X1.

## Polygon pours and split planes (outlines as drawn)
GND on Bottom Layer "Top" (solid, remove dead copper, pour order 1): 150,140 0,140 0,0 150,0
GND on Top Layer "Top" (solid, remove dead copper, pour order 0): 0,140 150,140 150,0 0,0

## Keep-outs
Keep-Out Layer:
  lines w0.254: 27.965,97.146 21.89,97.146 21.89,110.796 22.715,110.796 ; 27.965,98.096 22.715,98.096 22.715,110.796 ; 22.715,110.796 22.715,110.796 ; 35.79,98.096 35.79,125.796 29.965,125.796 29.965,126.721 43.5,126.721 43.5,125.796 37.115,125.796 ; 35.79,98.096 35.79,98.096 ; 35.79,98.096 30.04,98.096 30.04,97.146 43.5,97.146 43.5,98.096 37.115,98.096 37.115,125.796 ; 37.115,125.796 37.115,125.796 ; 45.174,98.08 45.174,97.13 51.249,97.13 51.249,110.796 50.34,110.796 50.34,98.08 45.174,98.08 ; 45.174,98.08 45.174,98.08 ; 0,0 150,0 150,140 0,140 0,0 ; 4.5,68.75 30.5,68.75 30.5,80.25 4.5,80.25 4.5,68.75 ; 18.5,35 28,35 28,46 18.5,46 18.5,35 ; 21.89,113.171 22.715,113.171 22.715,125.796 27.965,125.796 27.965,126.721 21.89,126.721 21.89,113.171 ; 42.5,68.75 68.5,68.75 68.5,80.25 42.5,80.25 42.5,68.75 ; 44.25,35 53.75,35 53.75,46 44.25,46 44.25,35 ; 45.174,125.78 50.34,125.78 50.34,113.171 51.249,113.171 51.249,126.705 45.174,126.705 45.174,125.78 ; 72.75,35.5 78.5,35.5 78.5,42.75 72.75,42.75 72.75,35.5

## Silkscreen, mask and mechanical layers (free items; w line width, h text height)
Top Overlay:
  text "40m" at 79.75,129.529 h2.5
  text "GND" at 72.25,129.031 h3
  text "20m" at 80.25,114.279 h2.5
  text "+13.8v" at 65.75,108.044 h4
  text "15m" at 80,98.779 h2.5
  text "10m" at 80,83.029 h2.5
  text "6m" at 80.25,67.279 h2.5
  text "80m" at 80,51.779 h2.5
  text "160m" at 79.25,36.279 h2.5
  text "W2 - HF AMP v0.2" at 65.5,11.052 h5
  text "TX" at 65,2.25 h3